# KiCad board proteus.kicad_pcb (continued)
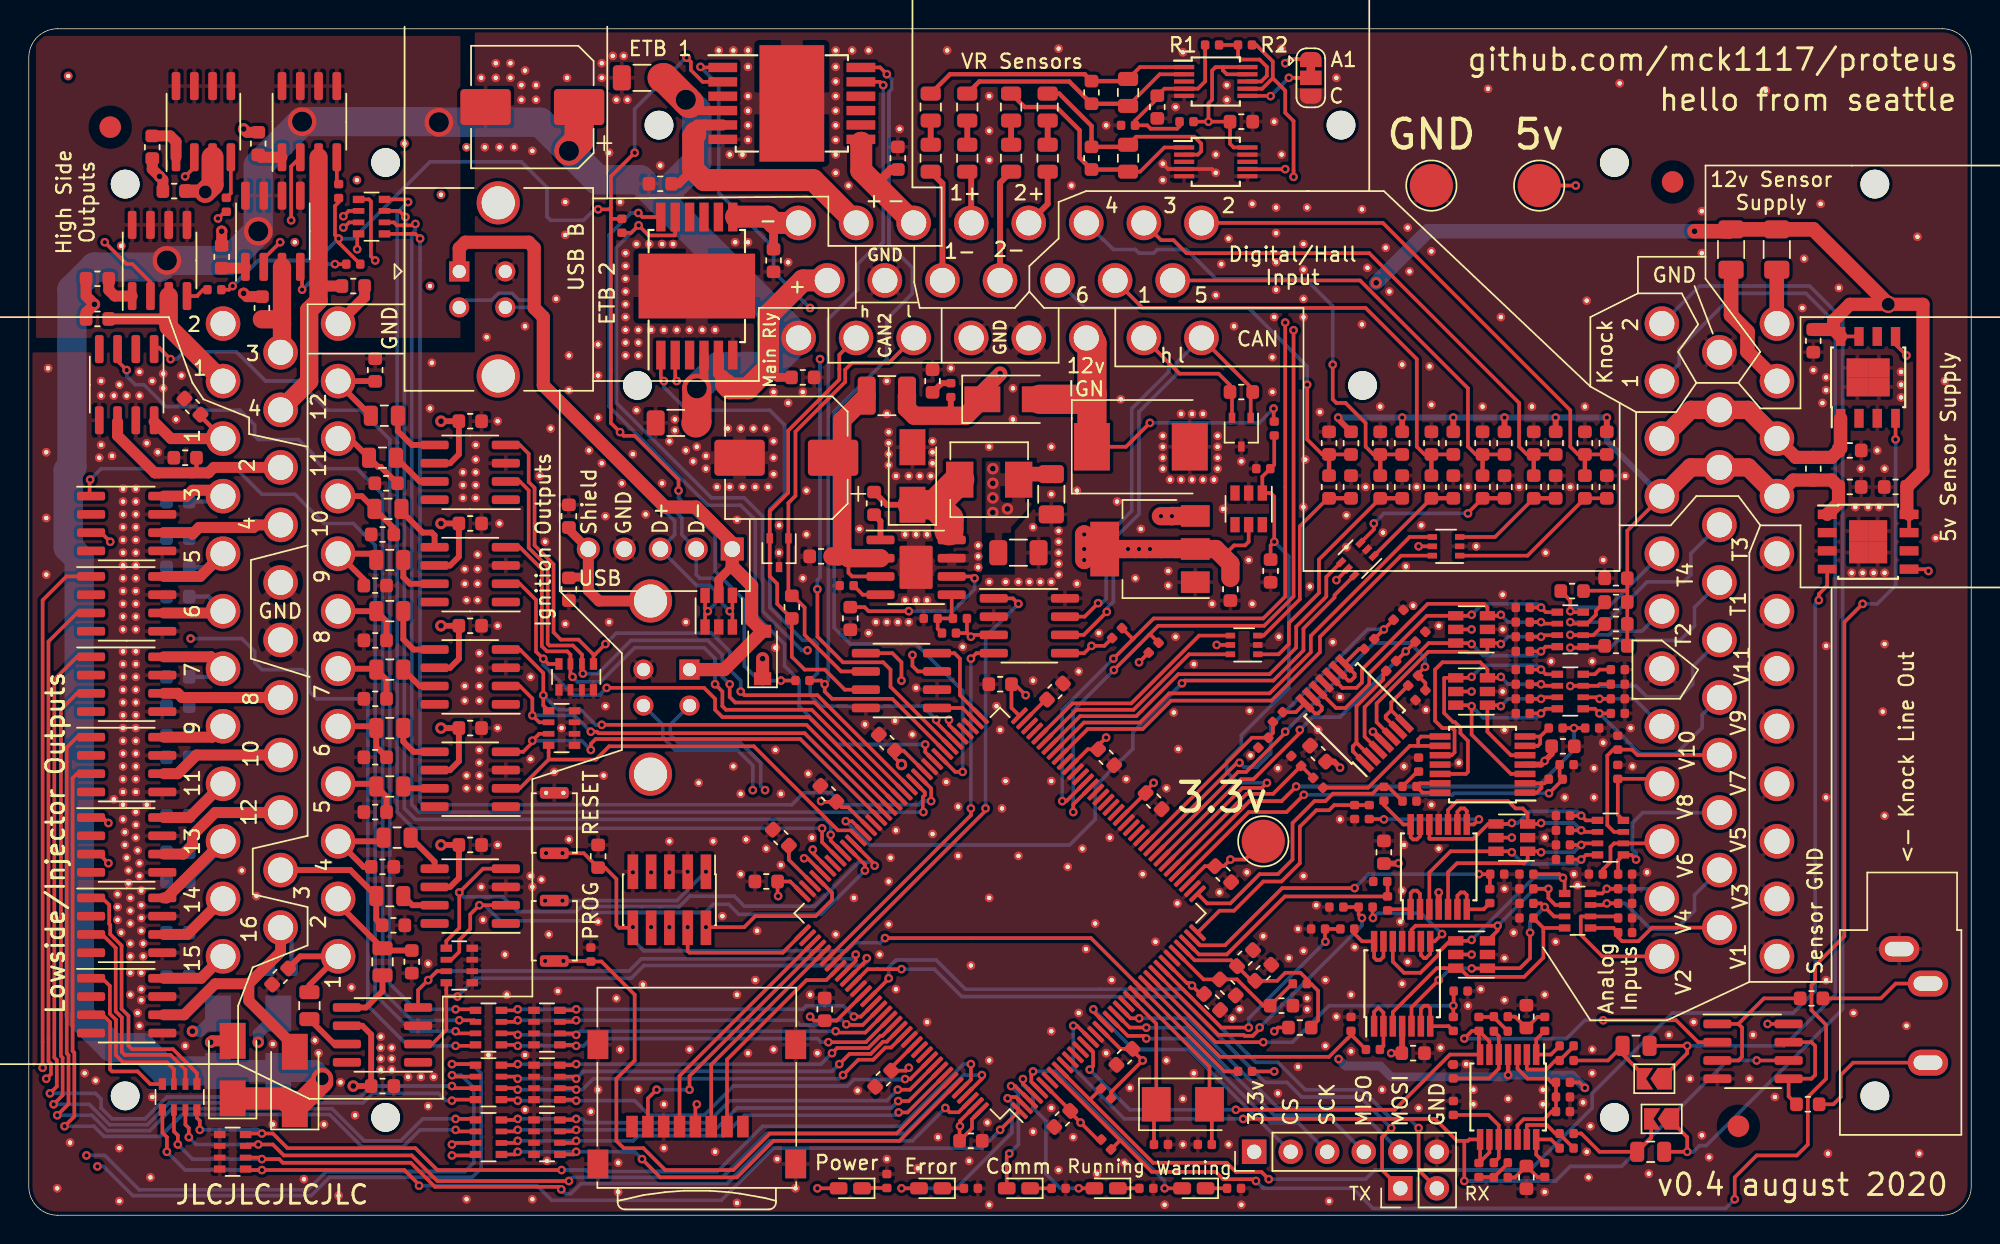
[diagram p0: board, top side]
## Placement (name value [footprint] x y rotation side) (continued)
NOREF#248  -  [unnamed]  5.91 28.92 0 top
NOREF#249  -  [unnamed]  7.44 30.32 0 top
NOREF#250  -  [unnamed]  7.44 31.21 0 top
NOREF#251  -  [unnamed]  7.44 32.1 0 top
NOREF#252  -  [unnamed]  7.44 32.99 0 top
NOREF#253  -  [unnamed]  6.55 32.1 0 top
NOREF#254  -  [unnamed]  6.55 31.21 0 top
NOREF#255  -  [unnamed]  6.55 30.32 0 top
NOREF#256  -  [unnamed]  6.55 32.99 0 top
NOREF#257  -  [unnamed]  7.44 33.88 0 top
NOREF#258  -  [unnamed]  6.55 33.88 0 top
NOREF#259  -  [unnamed]  7.44 34.77 0 top
NOREF#260  -  [unnamed]  6.55 34.77 0 top
NOREF#261  -  [unnamed]  7.44 35.65 0 top
NOREF#262  -  [unnamed]  6.55 35.65 0 top
NOREF#263  -  [unnamed]  7.44 36.54 0 top
NOREF#264  -  [unnamed]  6.55 36.54 0 top
NOREF#265  -  [unnamed]  6.55 37.43 0 top
NOREF#266  -  [unnamed]  7.44 37.43 0 top
NOREF#267  -  [unnamed]  7.44 38.32 0 top
NOREF#268  -  [unnamed]  6.55 38.32 0 top
NOREF#269  -  [unnamed]  6.55 39.21 0 top
NOREF#270  -  [unnamed]  7.44 39.21 0 top
NOREF#271  -  [unnamed]  7.44 40.73 0 top
NOREF#272  -  [unnamed]  6.55 40.73 0 top
NOREF#273  -  [unnamed]  6.55 41.62 0 top
NOREF#274  -  [unnamed]  7.44 41.62 0 top
NOREF#275  -  [unnamed]  7.44 42.51 0 top
NOREF#276  -  [unnamed]  6.55 42.51 0 top
NOREF#277  -  [unnamed]  7.44 43.4 0 top
NOREF#278  -  [unnamed]  6.55 43.4 0 top
NOREF#279  -  [unnamed]  7.44 44.29 0 top
NOREF#280  -  [unnamed]  6.55 44.29 0 top
NOREF#281  -  [unnamed]  7.44 45.18 0 top
NOREF#282  -  [unnamed]  7.44 46.07 0 top
NOREF#283  -  [unnamed]  7.44 46.96 0 top
NOREF#284  -  [unnamed]  7.44 47.85 0 top
NOREF#285  -  [unnamed]  7.44 48.73 0 top
NOREF#286  -  [unnamed]  7.44 49.62 0 top
NOREF#287  -  [unnamed]  6.55 49.62 0 top
NOREF#288  -  [unnamed]  6.55 48.73 0 top
NOREF#289  -  [unnamed]  6.55 47.85 0 top
NOREF#290  -  [unnamed]  6.55 46.96 0 top
NOREF#291  -  [unnamed]  6.55 46.07 0 top
NOREF#292  -  [unnamed]  6.55 45.18 0 top
NOREF#293  -  [unnamed]  7.44 50.51 0 top
NOREF#294  -  [unnamed]  6.55 50.51 0 top
NOREF#295  -  [unnamed]  8.96 53.05 0 top
NOREF#296  -  [unnamed]  8.2 53.69 0 top
NOREF#297  -  [unnamed]  10.23 55.34 0 top
NOREF#298  -  [unnamed]  10.61 58.39 0 top
NOREF#299  -  [unnamed]  5.03 58.01 0 top
NOREF#300  -  [unnamed]  9.34 57.5 0 top
NOREF#301  -  [unnamed]  7.69 58.64 0 top
NOREF#302  -  [unnamed]  7.69 56.99 0 top
NOREF#303  -  [unnamed]  6.8 56.99 0 top
NOREF#304  -  [unnamed]  5.91 56.99 0 top
NOREF#305  -  [unnamed]  5.03 56.99 0 top
NOREF#306  -  [unnamed]  5.79 52.8 0 top
NOREF#307  -  [unnamed]  5.03 53.56 0 top
NOREF#308  -  [unnamed]  4.9 52.67 0 top
NOREF#309  -  [unnamed]  1.22 44.54 0 top
NOREF#310  -  [unnamed]  1.22 53.05 0 top
NOREF#311  -  [unnamed]  1.34 58.9 0 top
NOREF#312  -  [unnamed]  28.01 59.28 0 top
NOREF#313  -  [unnamed]  31.82 61.05 0 top
NOREF#314  -  [unnamed]  38.94 53.18 0 top
NOREF#315  -  [unnamed]  39.82 52.29 0 top
NOREF#316  -  [unnamed]  41.22 50.89 0 top
NOREF#317  -  [unnamed]  44.02 50.89 0 top
NOREF#318  -  [unnamed]  41.98 52.93 0 top
NOREF#319  -  [unnamed]  39.57 55.47 0 top
NOREF#320  -  [unnamed]  39.57 58.39 0 top
NOREF#321  -  [unnamed]  39.57 60.55 0 top
NOREF#322  -  [unnamed]  37.54 59.78 0 top
NOREF#323  -  [unnamed]  37.54 57.37 0 top
NOREF#324  -  [unnamed]  34.49 61.82 0 top
NOREF#325  -  [unnamed]  36.65 63.72 0 top
NOREF#326  -  [unnamed]  47.83 50.64 0 top
NOREF#327  -  [unnamed]  48.71 50.64 0 top
NOREF#328  -  [unnamed]  49.6 50.64 0 top
NOREF#329  -  [unnamed]  50.49 50.64 0 top
NOREF#330  -  [unnamed]  51.38 50.64 0 top
NOREF#331  -  [unnamed]  51.76 51.53 0 top
NOREF#332  -  [unnamed]  51.76 52.67 0 top
NOREF#333  -  [unnamed]  51.76 53.81 0 top
NOREF#334  -  [unnamed]  51.25 54.7 0 top
NOREF#335  -  [unnamed]  50.37 54.7 0 top
NOREF#336  -  [unnamed]  49.48 54.7 0 top
NOREF#337  -  [unnamed]  48.59 54.7 0 top
NOREF#338  -  [unnamed]  47.06 52.8 0 top
NOREF#339  -  [unnamed]  47.06 51.91 0 top
NOREF#340  -  [unnamed]  42.24 55.97 0 top
NOREF#341  -  [unnamed]  44.9 55.34 0 top
NOREF#342  -  [unnamed]  44.9 54.58 0 top
NOREF#343  -  [unnamed]  45.67 53.18 0 top
NOREF#344  -  [unnamed]  41.48 66.9 0 top
NOREF#345  -  [unnamed]  41.48 66.01 0 top
NOREF#346  -  [unnamed]  41.48 65.12 0 top
NOREF#347  -  [unnamed]  41.48 64.23 0 top
NOREF#348  -  [unnamed]  41.48 63.34 0 top
NOREF#349  -  [unnamed]  41.48 62.45 0 top
NOREF#350  -  [unnamed]  41.48 61.56 0 top
NOREF#351  -  [unnamed]  41.48 60.67 0 top
NOREF#352  -  [unnamed]  42.36 60.67 0 top
NOREF#353  -  [unnamed]  42.36 61.56 0 top
NOREF#354  -  [unnamed]  42.36 59.78 0 top
NOREF#355  -  [unnamed]  41.48 59.78 0 top
NOREF#356  -  [unnamed]  43.25 61.56 0 top
NOREF#357  -  [unnamed]  42.24 67.53 0 top
NOREF#358  -  [unnamed]  49.09 67.66 0 top
NOREF#359  -  [unnamed]  49.98 67.66 0 top
NOREF#360  -  [unnamed]  52.78 66.26 0 top
NOREF#361  -  [unnamed]  48.71 73.75 0 top
NOREF#362  -  [unnamed]  49.6 73.75 0 top
NOREF#363  -  [unnamed]  60.53 75.53 0 top
NOREF#364  -  [unnamed]  78.81 73.12 0 top
NOREF#365  -  [unnamed]  78.81 71.98 0 top
NOREF#366  -  [unnamed]  86.56 76.04 0 top
NOREF#367  -  [unnamed]  83.26 78.58 0 top
NOREF#368  -  [unnamed]  82.5 73.75 0 top
NOREF#369  -  [unnamed]  85.04 70.33 0 top
NOREF#370  -  [unnamed]  87.07 73.75 0 top
NOREF#371  -  [unnamed]  88.85 70.07 0 top
NOREF#372  -  [unnamed]  66.75 77.82 0 top
NOREF#373  -  [unnamed]  66.75 75.41 0 top
NOREF#374  -  [unnamed]  66.75 73.37 0 top
NOREF#375  -  [unnamed]  72.46 71.59 0 top
NOREF#376  -  [unnamed]  43.89 72.99 0 top
NOREF#377  -  [unnamed]  40.84 77.56 0 top
NOREF#378  -  [unnamed]  60.91 42.77 0 top
NOREF#379  -  [unnamed]  67.51 33.75 0 top
NOREF#380  -  [unnamed]  68.4 55.34 0 top
NOREF#381  -  [unnamed]  68.4 57.5 0 top
NOREF#382  -  [unnamed]  78.81 53.43 0 top
NOREF#383  -  [unnamed]  78.81 52.67 0 top
NOREF#384  -  [unnamed]  78.81 54.2 0 top
NOREF#385  -  [unnamed]  84.27 52.42 0 top
NOREF#386  -  [unnamed]  86.43 57.24 0 top
NOREF#387  -  [unnamed]  86.43 59.66 0 top
NOREF#388  -  [unnamed]  86.69 70.07 0 top
NOREF#389  -  [unnamed]  86.69 68.29 0 top
NOREF#390  -  [unnamed]  88.59 67.53 0 top
NOREF#391  -  [unnamed]  86.69 66.26 0 top
NOREF#392  -  [unnamed]  88.59 65.75 0 top
NOREF#393  -  [unnamed]  86.69 64.36 0 top
NOREF#394  -  [unnamed]  88.59 63.72 0 top
NOREF#395  -  [unnamed]  88.59 62.45 0 top
NOREF#396  -  [unnamed]  86.56 62.45 0 top
NOREF#397  -  [unnamed]  51.25 25.49 0 top
NOREF#398  -  [unnamed]  49.48 29.3 0 top
NOREF#399  -  [unnamed]  49.98 79.85 0 top
NOREF#400  -  [unnamed]  49.98 77.82 0 top
NOREF#401  -  [unnamed]  49.98 76.8 0 top
NOREF#402  -  [unnamed]  49.98 75.79 0 top
NOREF#403  -  [unnamed]  49.98 74.77 0 top
NOREF#404  -  [unnamed]  56.08 79.85 0 top
NOREF#405  -  [unnamed]  56.08 78.83 0 top
NOREF#406  -  [unnamed]  56.08 77.82 0 top
NOREF#407  -  [unnamed]  56.08 76.8 0 top
NOREF#408  -  [unnamed]  56.08 75.79 0 top
NOREF#409  -  [unnamed]  56.08 74.77 0 top
NOREF#410  -  [unnamed]  56.08 73.75 0 top
NOREF#411  -  [unnamed]  56.08 72.48 0 top
NOREF#412  -  [unnamed]  56.97 71.59 0 top
NOREF#413  -  [unnamed]  49.98 80.99 0 top
NOREF#414  -  [unnamed]  56.08 80.99 0 top
NOREF#415  -  [unnamed]  57.22 80.99 0 top
NOREF#416  -  [unnamed]  58.37 80.99 0 top
NOREF#417  -  [unnamed]  48.97 80.99 0 top
NOREF#418  -  [unnamed]  47.95 80.99 0 top
NOREF#419  -  [unnamed]  33.47 79.09 0 top
NOREF#420  -  [unnamed]  37.41 79.09 0 top
NOREF#421  -  [unnamed]  37.28 70.45 0 top
NOREF#422  -  [unnamed]  40.33 73.88 0 top
NOREF#423  -  [unnamed]  63.83 80.99 0 top
NOREF#424  -  [unnamed]  71.57 81.12 0 top
NOREF#425  -  [unnamed]  66.62 6.44 0 top
NOREF#426  -  [unnamed]  61.8 3.27 0 top
NOREF#427  -  [unnamed]  69.8 5.81 0 top
NOREF#428  -  [unnamed]  74.88 11.27 0 top
NOREF#429  -  [unnamed]  78.31 19.02 0 top
NOREF#430  -  [unnamed]  79.83 21.68 0 top
NOREF#431  -  [unnamed]  75.13 26.26 0 top
NOREF#432  -  [unnamed]  71.07 30.19 0 top
NOREF#433  -  [unnamed]  64.59 28.41 0 top
NOREF#434  -  [unnamed]  62.81 26.51 0 top
NOREF#435  -  [unnamed]  64.59 24.99 0 top
NOREF#436  -  [unnamed]  60.27 26.76 0 top
NOREF#437  -  [unnamed]  56.08 19.52 0 top
NOREF#438  -  [unnamed]  59.76 23.21 0 top
NOREF#439  -  [unnamed]  62.43 13.43 0 top
NOREF#440  -  [unnamed]  66.75 10.76 0 top
NOREF#441  -  [unnamed]  65.48 17.37 0 top
NOREF#442  -  [unnamed]  74.11 20.29 0 top
NOREF#443  -  [unnamed]  66.75 22.06 0 top
NOREF#444  -  [unnamed]  67.64 28.29 0 top
NOREF#445  -  [unnamed]  67.89 30.19 0 top
NOREF#446  -  [unnamed]  73.22 25.49 0 top
NOREF#447  -  [unnamed]  72.21 24.22 0 top
NOREF#448  -  [unnamed]  46.55 30.07 0 top
NOREF#449  -  [unnamed]  47.57 26 0 top
NOREF#450  -  [unnamed]  44.52 26 0 top
NOREF#451  -  [unnamed]  49.48 23.72 0 top
NOREF#452  -  [unnamed]  88.85 14.32 0 top
NOREF#453  -  [unnamed]  88.85 15.08 0 top
NOREF#454  -  [unnamed]  87.58 17.87 0 top
NOREF#455  -  [unnamed]  90.88 13.81 0 top
NOREF#456  -  [unnamed]  91.89 15.33 0 top
NOREF#457  -  [unnamed]  92.15 18.64 0 top
NOREF#458  -  [unnamed]  90.12 16.35 0 top
NOREF#459  -  [unnamed]  95.45 16.1 0 top
NOREF#460  -  [unnamed]  44.14 61.56 0 top
NOREF#461  -  [unnamed]  45.03 61.56 0 top
NOREF#462  -  [unnamed]  45.92 61.56 0 top
NOREF#463  -  [unnamed]  46.81 61.56 0 top
NOREF#464  -  [unnamed]  47.7 61.56 0 top
NOREF#465  -  [unnamed]  43.13 67.53 0 top
NOREF#466  -  [unnamed]  44.02 67.53 0 top
NOREF#467  -  [unnamed]  44.78 67.53 0 top
NOREF#468  -  [unnamed]  73.48 18.51 0 top
NOREF#469  -  [unnamed]  75.26 16.35 0 top
NOREF#470  -  [unnamed]  71.07 7.46 0 top
NOREF#471  -  [unnamed]  92.66 69.94 0 top
NOREF#472  -  [unnamed]  42.87 48.73 0 top
NOREF#473  -  [unnamed]  78.81 51.91 0 top
NOREF#474  -  [unnamed]  79.32 51.15 0 top
NOREF#475  -  [unnamed]  80.08 51.15 0 top
NOREF#476  -  [unnamed]  80.84 51.15 0 top
NOREF#477  -  [unnamed]  81.61 51.15 0 top
NOREF#478  -  [unnamed]  82.37 51.15 0 top
NOREF#479  -  [unnamed]  80.08 55.72 0 top
NOREF#480  -  [unnamed]  80.84 55.72 0 top
NOREF#481  -  [unnamed]  81.61 55.72 0 top
NOREF#482  -  [unnamed]  82.62 53.43 0 top
NOREF#483  -  [unnamed]  82.62 54.2 0 top
NOREF#484  -  [unnamed]  82.62 52.67 0 top
NOREF#485  -  [unnamed]  82.62 51.91 0 top
NOREF#486  -  [unnamed]  79.19 43.78 0 top
NOREF#487  -  [unnamed]  82.24 42.51 0 top
NOREF#488  -  [unnamed]  76.91 44.29 0 top
NOREF#489  -  [unnamed]  79.7 40.23 0 top
NOREF#490  -  [unnamed]  36.14 19.52 0 top
NOREF#491  -  [unnamed]  10.87 11.78 0 top
NOREF#492  -  [unnamed]  16.96 11.9 0 top
NOREF#493  -  [unnamed]  21.66 9.24 0 top
NOREF#494  -  [unnamed]  4.64 9.37 0 top
NOREF#495  -  [unnamed]  3.88 9.87 0 top
NOREF#496  -  [unnamed]  15.82 22.19 0 top
NOREF#497  -  [unnamed]  14.8 23.97 0 top
NOREF#498  -  [unnamed]  19.88 12.16 0 top
NOREF#499  -  [unnamed]  61.67 42.77 0 top
NOREF#500  -  [unnamed]  62.43 42.77 0 top
NOREF#501  -  [unnamed]  60.91 47.34 0 top
NOREF#502  -  [unnamed]  61.67 47.34 0 top
NOREF#503  -  [unnamed]  65.99 46.58 0 top
NOREF#504  -  [unnamed]  65.99 45.81 0 top
NOREF#505  -  [unnamed]  65.99 45.05 0 top
NOREF#506  -  [unnamed]  68.78 44.04 0 top
NOREF#507  -  [unnamed]  61.67 36.67 0 top
NOREF#508  -  [unnamed]  58.37 40.48 0 top
NOREF#509  -  [unnamed]  67.26 35.4 0 top
NOREF#510  -  [unnamed]  69.8 37.18 0 top
NOREF#511  -  [unnamed]  69.8 47.85 0 top
NOREF#512  -  [unnamed]  71.57 47.59 0 top
NOREF#513  -  [unnamed]  71.57 46.83 0 top
NOREF#514  -  [unnamed]  71.57 46.07 0 top
NOREF#515  -  [unnamed]  71.57 45.31 0 top
NOREF#516  -  [unnamed]  71.57 44.54 0 top
NOREF#517  -  [unnamed]  69.54 44.04 0 top
NOREF#518  -  [unnamed]  70.3 44.04 0 top
NOREF#519  -  [unnamed]  71.07 44.04 0 top
NOREF#520  -  [unnamed]  61.16 41.24 0 top
NOREF#521  -  [unnamed]  60.4 41.24 0 top
NOREF#522  -  [unnamed]  59.64 41.24 0 top
NOREF#523  -  [unnamed]  58.87 41.24 0 top
NOREF#524  -  [unnamed]  7.69 13.18 0 top
NOREF#525  -  [unnamed]  1.22 48.48 0 top
NOREF#526  -  [unnamed]  6.42 67.4 0 top
NOREF#527  -  [unnamed]  2.74 79.22 0 top
NOREF#528  -  [unnamed]  6.55 28.54 0 top
NOREF#529  -  [unnamed]  8.2 28.54 0 top
NOREF#530  -  [unnamed]  83 49.12 0 top
NOREF#531  -  [unnamed]  84.78 45.56 0 top
NOREF#532  -  [unnamed]  74.37 40.48 0 top
NOREF#533  -  [unnamed]  76.27 30.32 0 top
NOREF#534  -  [unnamed]  79.07 29.68 0 top
NOREF#535  -  [unnamed]  102.44 36.42 0 top
NOREF#536  -  [unnamed]  102.44 40.73 0 top
NOREF#537  -  [unnamed]  105.36 26.26 0 top
NOREF#538  -  [unnamed]  72.84 43.91 0 top
NOREF#539  -  [unnamed]  59.76 54.45 0 top
NOREF#540  -  [unnamed]  59.76 53.69 0 top
NOREF#541  -  [unnamed]  59.76 52.93 0 top
NOREF#542  -  [unnamed]  59.76 52.16 0 top
NOREF#543  -  [unnamed]  62.68 51.4 0 top
NOREF#544  -  [unnamed]  61.92 51.4 0 top
NOREF#545  -  [unnamed]  61.16 51.4 0 top
NOREF#546  -  [unnamed]  60.27 51.4 0 top
NOREF#547  -  [unnamed]  62.43 47.34 0 top
NOREF#548  -  [unnamed]  57.73 47.72 0 top
NOREF#549  -  [unnamed]  62.81 53.81 0 top
NOREF#550  -  [unnamed]  62.81 53.05 0 top
NOREF#551  -  [unnamed]  62.81 52.29 0 top
NOREF#552  -  [unnamed]  66.75 44.04 0 top
NOREF#553  -  [unnamed]  67.89 44.04 0 top
NOREF#554  -  [unnamed]  77.29 47.72 0 top
NOREF#555  -  [unnamed]  76.15 3.65 0 top
NOREF#556  -  [unnamed]  72.59 5.43 0 top
NOREF#557  -  [unnamed]  80.21 80.87 0 top
NOREF#558  -  [unnamed]  87.07 81.12 0 top
NOREF#559  -  [unnamed]  75.89 56.74 0 top
NOREF#560  -  [unnamed]  40.08 48.61 0 top
NOREF#561  -  [unnamed]  71.07 12.79 0 top
NOREF#562  -  [unnamed]  77.42 23.72 0 top
NOREF#563  -  [unnamed]  54.05 50.39 0 top
NOREF#564  -  [unnamed]  52.78 56.48 0 top
NOREF#565  -  [unnamed]  53.79 57.24 0 top
NOREF#566  -  [unnamed]  51.76 57.24 0 top
NOREF#567  -  [unnamed]  37.28 68.17 0 top
NOREF#568  -  [unnamed]  41.09 70.45 0 top
NOREF#569  -  [unnamed]  35 74.01 0 top
NOREF#570  -  [unnamed]  27.89 64.61 0 top
NOREF#571  -  [unnamed]  28.14 9.62 0 top
NOREF#572  -  [unnamed]  24.46 10.13 0 top
NOREF#573  -  [unnamed]  25.22 10.13 0 top
NOREF#574  -  [unnamed]  24.46 12.41 0 top
NOREF#575  -  [unnamed]  26.36 9.62 0 top
NOREF#576  -  [unnamed]  27.25 9.62 0 top
NOREF#577  -  [unnamed]  124.53 70.33 0 top
NOREF#578  -  [unnamed]  133.17 58.01 0 top
NOREF#579  -  [unnamed]  132.53 47.08 0 top
NOREF#580  -  [unnamed]  59.64 55.72 0 top
NOREF#581  -  [unnamed]  59.64 58.01 0 top
NOREF#582  -  [unnamed]  64.08 58.9 0 top
NOREF#583  -  [unnamed]  9.34 58.51 0 top
NOREF#584  -  [unnamed]  8.58 58.01 0 top
NOREF#585  -  [unnamed]  6.3 57.75 0 top
NOREF#586  -  [unnamed]  79.7 77.06 0 top
NOREF#587  -  [unnamed]  74.88 75.79 0 top
NOREF#588  -  [unnamed]  83.26 77.56 0 top
NOREF#589  -  [unnamed]  82.5 72.48 0 top
NOREF#590  -  [unnamed]  75.64 49.62 0 top
NOREF#591  -  [unnamed]  71.07 50.13 0 top
NOREF#592  -  [unnamed]  66.75 53.43 0 top
NOREF#593  -  [unnamed]  18.49 67.66 0 top
NOREF#594  -  [unnamed]  22.81 71.98 0 top
NOREF#595  -  [unnamed]  28.65 70.96 0 top
NOREF#596  -  [unnamed]  30.43 74.26 0 top
NOREF#597  -  [unnamed]  26.11 74.52 0 top
NOREF#598  -  [unnamed]  45.67 41.24 0 top
NOREF#599  -  [unnamed]  40.33 41.24 0 top
NOREF#600  -  [unnamed]  31.95 11.14 0 top
NOREF#601  -  [unnamed]  34.49 11.14 0 top
NOREF#602  -  [unnamed]  34.49 7.33 0 top
NOREF#603  -  [unnamed]  36.01 3.78 0 top
NOREF#604  -  [unnamed]  44.14 7.71 0 top
NOREF#605  -  [unnamed]  48.21 20.8 0 top
NOREF#606  -  [unnamed]  57.35 22.06 0 top
NOREF#607  -  [unnamed]  59.13 18.13 0 top
NOREF#608  -  [unnamed]  60.27 15.71 0 top
NOREF#609  -  [unnamed]  48.97 31.21 0 top
NOREF#610  -  [unnamed]  71.07 53.43 0 top
NOREF#611  -  [unnamed]  72.84 50.39 0 top
NOREF#612  -  [unnamed]  108.66 9.87 0 top
NOREF#613  -  [unnamed]  108.66 11.52 0 top
NOREF#614  -  [unnamed]  108.02 7.84 0 top
NOREF#615  -  [unnamed]  108.53 6.19 0 top
NOREF#616  -  [unnamed]  108.28 4.41 0 top
NOREF#617  -  [unnamed]  59.89 24.86 0 top
NOREF#618  -  [unnamed]  68.78 24.99 0 top
NOREF#619  -  [unnamed]  72.97 14.06 0 top
NOREF#620  -  [unnamed]  99.89 10.51 0 top
NOREF#621  -  [unnamed]  96.59 7.46 0 top
NOREF#622  -  [unnamed]  94.05 8.73 0 top
NOREF#623  -  [unnamed]  86.81 8.48 0 top
NOREF#624  -  [unnamed]  80.97 9.87 0 top
NOREF#625  -  [unnamed]  79.07 10.76 0 top
NOREF#626  -  [unnamed]  83.39 4.92 0 top
NOREF#627  -  [unnamed]  90.37 0.98 0 top
NOREF#628  -  [unnamed]  112.59 2.89 0 top
NOREF#629  -  [unnamed]  80.21 8.1 0 top
NOREF#630  -  [unnamed]  41.6 77.56 0 top
NOREF#631  -  [unnamed]  40.59 80.61 0 top
NOREF#632  -  [unnamed]  41.35 80.61 0 top
NOREF#633  -  [unnamed]  39.82 79.09 0 top
NOREF#634  -  [unnamed]  39.82 80.1 0 top
NOREF#635  -  [unnamed]  31.44 79.09 0 top
NOREF#636  -  [unnamed]  32.46 79.09 0 top
NOREF#637  -  [unnamed]  34.24 77.56 0 top
NOREF#638  -  [unnamed]  31.7 74.26 0 top
NOREF#639  -  [unnamed]  32.71 74.26 0 top
NOREF#640  -  [unnamed]  33.73 74.26 0 top
NOREF#641  -  [unnamed]  34.24 78.58 0 top
NOREF#642  -  [unnamed]  32.46 80.1 0 top
NOREF#643  -  [unnamed]  33.47 80.1 0 top
NOREF#644  -  [unnamed]  35.25 77.56 0 top
NOREF#645  -  [unnamed]  35.25 78.58 0 top
NOREF#646  -  [unnamed]  34.49 79.6 0 top
NOREF#647  -  [unnamed]  54.3 15.33 0 top
NOREF#648  -  [unnamed]  58.11 34.13 0 top
NOREF#649  -  [unnamed]  41.09 11.52 0 top
NOREF#650  -  [unnamed]  45.92 11.52 0 top
NOREF#651  -  [unnamed]  49.98 11.27 0 top
NOREF#652  -  [unnamed]  51.76 11.52 0 top
NOREF#653  -  [unnamed]  54.81 11.27 0 top
NOREF#654  -  [unnamed]  36.78 15.59 0 top
NOREF#655  -  [unnamed]  42.68 16.03 0 top
NOREF#656  -  [unnamed]  49.22 15.33 0 top
NOREF#657  -  [unnamed]  50.49 16.35 0 top
NOREF#658  -  [unnamed]  44.14 4.67 0 top
NOREF#659  -  [unnamed]  40.97 3.65 0 top
NOREF#660  -  [unnamed]  47.7 4.41 0 top
NOREF#661  -  [unnamed]  52.02 3.9 0 top
NOREF#662  -  [unnamed]  49.22 0.86 0 top
NOREF#663  -  [unnamed]  63.19 5.43 0 top
NOREF#664  -  [unnamed]  59.64 3.9 0 top
NOREF#665  -  [unnamed]  53.29 1.87 0 top
NOREF#666  -  [unnamed]  39.57 8.73 0 top
NOREF#667  -  [unnamed]  42.36 8.73 0 top
NOREF#668  -  [unnamed]  39.06 7.21 0 top
NOREF#669  -  [unnamed]  35 1.11 0 top
NOREF#670  -  [unnamed]  40.84 15.08 0 top
NOREF#671  -  [unnamed]  53.79 44.29 0 top
NOREF#672  -  [unnamed]  52.14 47.97 0 top
NOREF#673  -  [unnamed]  54.05 47.34 0 top
NOREF#674  -  [unnamed]  49.22 48.35 0 top
NOREF#675  -  [unnamed]  46.17 52.42 0 top
NOREF#676  -  [unnamed]  46.43 53.43 0 top
NOREF#677  -  [unnamed]  36.27 54.7 0 top
NOREF#678  -  [unnamed]  63.76 30.13 0 top
NOREF#679  -  [unnamed]  61.41 33.43 0 top
NOREF#680  -  [unnamed]  60.21 34.38 0 top
NOREF#681  -  [unnamed]  119.83 12.54 0 top
NOREF#682  -  [unnamed]  119.58 9.49 0 top
NOREF#683  -  [unnamed]  121.36 8.22 0 top
NOREF#684  -  [unnamed]  78.94 0.73 0 top
NOREF#685  -  [unnamed]  66.75 0.73 0 top
NOREF#686  -  [unnamed]  71.57 3.14 0 top
NOREF#687  -  [unnamed]  51.89 39.46 0 top
NOREF#688  -  [unnamed]  105.8 38.51 0 top
NOREF#689  -  [unnamed]  108.66 38.51 0 top
NOREF#690  -  [unnamed]  115.71 13.43 0 top
NOREF#691  -  [unnamed]  115.45 9.49 0 top
NOREF#692  -  [unnamed]  88.21 10.32 0 top
NOREF#693  -  [unnamed]  84.27 0.73 0 top
NOREF#694  -  [unnamed]  59.76 20.22 0 top
NOREF#695  -  [unnamed]  102.44 43.15 0 top
NOREF#696  -  [unnamed]  64.91 39.53 0 top
NOREF#697  -  [unnamed]  44.52 53.81 0 top
NOREF#698  -  [unnamed]  52.14 46.07 0 top
NOREF#699  -  [unnamed]  35.95 29.37 0 top
NOREF#700  -  [unnamed]  37.16 29.37 0 top
NOREF#701  -  [unnamed]  94.12 47.47 0 top
NOREF#702  -  [unnamed]  89.04 43.72 0 top
NOREF#703  -  [unnamed]  91.58 48.67 0 top
NOREF#704  -  [unnamed]  88.59 49.24 0 top
NOREF#705  -  [unnamed]  100.59 46.51 0 top
NOREF#706  -  [unnamed]  96.78 47.97 0 top
NOREF#707  -  [unnamed]  95.7 45.12 0 top
NOREF#708  -  [unnamed]  105.42 46.07 0 top
NOREF#709  -  [unnamed]  90.62 39.84 0 top
NOREF#710  -  [unnamed]  84.85 35.08 0 top
NOREF#711  -  [unnamed]  79.58 34.96 0 top
NOREF#712  -  [unnamed]  79.89 32.42 0 top
NOREF#713  -  [unnamed]  80.97 38.32 0 top
NOREF#714  -  [unnamed]  91.58 46.45 0 top
R1  5.6k  [R_0402_1005Metric]  93.42 11.52 0 top
R2  5.6k  [R_0402_1005Metric]  99.01 13.3 270 top
R3  5.6k  [R_0402_1005Metric]  92.91 21.43 0 top
R4  5.6k  [R_0402_1005Metric]  91.64 19.91 0 top
R5  10k  [R_0402_1005Metric]  91.89 13.3 270 top
R6  10k  [R_0402_1005Metric]  99.51 15.59 180 top
R7  10k  [R_0402_1005Metric]  90.88 21.43 0 top
R8  10k  [R_0402_1005Metric]  89.61 19.91 0 top
R9  5.6k  [R_0402_1005Metric]  94.43 21.68 270 top
R10  5.6k  [R_0402_1005Metric]  101.55 22.19 270 top
R11  5.6k  [R_0402_1005Metric]  93.16 28.03 270 top
R12  5.6k  [R_0402_1005Metric]  94.18 29.3 270 top
R13  10k  [R_0402_1005Metric]  93.93 23.21 0 top
R14  10k  [R_0402_1005Metric]  102.05 23.72 180 top
R15  10k  [R_0402_1005Metric]  92.15 28.03 90 top
R16  10k  [R_0402_1005Metric]  95.96 28.8 180 top
R17  5.6k  [R_0402_1005Metric]  106.12 30.32 180 top
R18  5.6k  [R_0402_1005Metric]  106.12 33.88 180 top
R19  5.6k  [R_0402_1005Metric]  89.61 30.07 315 top
R20  5.6k  [R_0402_1005Metric]  95.96 29.81 0 top
R21  10k  [R_0402_1005Metric]  106.88 31.34 180 top
R22  10k  [R_0402_1005Metric]  108.66 33.88 180 top
R23  10k  [R_0402_1005Metric]  88.08 31.59 315 top
R24  10k  [R_0402_1005Metric]  96.59 31.34 270 top
R25  5.6k  [R_0402_1005Metric]  94.69 38.19 225 top
R26  5.6k  [R_0402_1005Metric]  96.21 37.18 225 top
R27  5.6k  [R_0402_1005Metric]  93.16 39.72 225 top
R28  5.6k  [R_0402_1005Metric]  86.81 34.64 45 top
R29  10k  [R_0402_1005Metric]  96.72 40.23 225 top
R30  10k  [R_0402_1005Metric]  96.72 36.16 45 top
R31  10k  [R_0402_1005Metric]  95.2 41.75 225 top
R32  10k  [R_0402_1005Metric]  85.8 32.86 45 top
R33  120  [R_0603_1608Metric]  53.03 42.28 90 top
R38  22k  [R_0402_1005Metric]  106.63 8.22 0 top
R40  22k  [R_0402_1005Metric]  106.63 9.24 0 top
R42  12k  [R_0402_1005Metric]  105.36 13.3 270 top
R43  12k  [R_0402_1005Metric]  105.36 3.14 90 top
R44  100k  [R_0402_1005Metric]  102.31 13.81 0 top
R45  100k  [R_0402_1005Metric]  102.31 2.63 0 top
R46  33k  [R_0402_1005Metric]  102.31 12.79 0 top
R47  33k  [R_0402_1005Metric]  102.31 3.65 0 top
R48  33  [R_0402_1005Metric]  88.34 16.1 0 top
R701  470k  [R_0402_1005Metric]  110.94 19.65 0 top
R702  470k  [R_0402_1005Metric]  110.94 20.67 0 top
R703  470k  [R_0402_1005Metric]  110.94 21.68 0 top
R704  470k  [R_0402_1005Metric]  110.94 22.7 0 top
R801  470k  [R_0402_1005Metric]  110.94 23.72 0 top
R802  470k  [R_0402_1005Metric]  108.91 23.72 180 top
R803  470k  [R_0402_1005Metric]  110.44 32.86 90 top
R804  470k  [R_0402_1005Metric]  110.44 30.83 90 top
R901  470k  [R_0402_1005Metric]  110.44 34.89 0 top
R902  470k  [R_0402_1005Metric]  110.44 35.91 0 top
R903  470k  [R_0402_1005Metric]  110.44 36.92 0 top
R904  470k  [R_0402_1005Metric]  110.44 37.94 0 top
R905  10k  [R_0402_1005Metric]  56.84 43.78 180 top
R906  1  [R_0402_1005Metric]  64.08 57.37 90 top
R907  12k  [R_0402_1005Metric]  62.68 41.5 180 top
R908  68k  [R_0402_1005Metric]  64.72 41.5 0 top
R1001  10k  [R_0402_1005Metric]  53.77 37.18 180 top
R1004  120  [R_0603_1608Metric]  84.27 57.24 0 top
R1005  DNP  [R_0603_1608Metric]  124.03 51.91 270 top
R1006  10k  [R_0402_1005Metric]  74.88 8.48 315 top
R1007  10k  [R_0402_1005Metric]  74.88 4.92 135 top
R1101  2.7k  [R_0603_1608Metric]  110.31 39.59 180 top
R1102  2.7k  [R_0603_1608Metric]  110.31 41.11 180 top
R1103  2.7k  [R_0603_1608Metric]  110.31 42.64 180 top
R1104  2.7k  [R_0603_1608Metric]  107.26 43.4 180 top
R1105  15k  [R_0402_1005Metric]  12.9 64.36 0 top
R1106  150  [R_0603_1608Metric]  4.77 65.12 180 top
R1107  15k  [R_0402_1005Metric]  13.73 70.26 270 top
R1108  150  [R_0603_1608Metric]  8.58 74.26 270 top
R1109  15k  [R_0402_1005Metric]  22.55 66.13 0 top
R1110  150  [R_0603_1608Metric]  13.41 66.64 90 top
R1111  15k  [R_0402_1005Metric]  21.54 71.21 270 top
R1112  150  [R_0603_1608Metric]  15.95 74.52 90 top
R1201  2.2k  [R_0603_1608Metric]  102.56 53.69 270 top
R1202  3.3k  [R_0603_1608Metric]  101.04 50.64 90 top
R1203  2.2k  [R_0603_1608Metric]  91.89 53.69 270 top
R1204  3.3k  [R_0603_1608Metric]  90.37 50.64 90 top
R1205  4.7k  [R_0805_2012Metric]  65.22 73.5 270 top
R1206  4.7k  [R_0805_2012Metric]  65.22 77.06 270 top
R1207  DNP  [R_0805_2012Metric]  76.4 78.07 270 top
R1208  4.7k  [R_0805_2012Metric]  62.68 73.5 270 top
R1209  4.7k  [R_0805_2012Metric]  62.68 77.06 270 top
R1210  4.7k  [R_0805_2012Metric]  70.81 73.5 270 top
R1211  4.7k  [R_0805_2012Metric]  70.81 77.06 270 top
R1212  DNP  [R_0805_2012Metric]  76.4 73.5 90 top
R1213  4.7k  [R_0805_2012Metric]  68.27 73.5 270 top
R1214  4.7k  [R_0805_2012Metric]  68.27 77.06 270 top
R1215  4.7k  [R_0402_1005Metric]  78.18 39.46 45 top
R1216  4.7k  [R_0402_1005Metric]  75.64 40.48 45 top
R1217  1k  [R_0402_1005Metric]  80.46 76.04 180 top
R1218  1k  [R_0402_1005Metric]  76.4 75.79 0 top
R1219  DNP  [R_0402_1005Metric]  82.24 81.37 180 top
R1220  DNP  [R_0402_1005Metric]  84.53 81.37 180 top
R1301  10k  [R_0402_1005Metric]  41.22 68.8 90 top
R1401  2.2k  [R_0603_1608Metric]  99.01 53.69 270 top
R1402  3.3k  [R_0603_1608Metric]  97.48 50.64 90 top
R1403  2.2k  [R_0603_1608Metric]  109.67 53.69 270 top
R1404  3.3k  [R_0603_1608Metric]  108.15 50.64 90 top
R1405  2.2k  [R_0603_1608Metric]  106.12 53.69 270 top
R1406  3.3k  [R_0603_1608Metric]  104.59 50.64 90 top
R1407  2.2k  [R_0603_1608Metric]  95.45 53.69 270 top
R1408  3.3k  [R_0603_1608Metric]  93.93 50.64 90 top
R1501  100k  [R_0603_1608Metric]  37.54 48.61 90 top
R1502  10k  [R_0402_1005Metric]  84.53 10 0 top
R1503  82k  [R_0402_1005Metric]  86.56 54.7 270 top
R1504  10k  [R_0402_1005Metric]  85.8 51.91 180 top
R1508  330  [R_0402_1005Metric]  59.64 2.38 270 top
R1509  330  [R_0402_1005Metric]  65.48 1.87 180 top
R1510  330  [R_0402_1005Metric]  71.57 1.87 180 top
R1511  330  [R_0402_1005Metric]  77.67 1.87 180 top
R1512  330  [R_0402_1005Metric]  83.77 1.87 180 top
R1513  10k  [R_0402_1005Metric]  39.06 18.13 90 top
R1601  100  [R_0805_2012Metric]  19.5 14.57 270 top
R1602  100  [R_0805_2012Metric]  24.58 17.62 270 top
R1603  100  [R_0805_2012Metric]  25.09 22.19 0 top
R1604  100  [R_0805_2012Metric]  25.6 26.26 0 top
R1701  100  [R_0805_2012Metric]  25.09 29.81 0 top
R1702  100  [R_0805_2012Metric]  25.09 33.88 0 top
R1703  100  [R_0805_2012Metric]  25.09 37.94 0 top
R1704  100  [R_0805_2012Metric]  25.09 42 0 top
R1801  100  [R_0805_2012Metric]  25.09 45.56 0 top
R1802  100  [R_0805_2012Metric]  24.97 49.12 0 top
R1803  100  [R_0805_2012Metric]  24.58 52.67 0 top
R1804  100  [R_0805_2012Metric]  24.71 55.59 0 top
R1901  100k  [R_0402_1005Metric]  106.88 10.76 0 top
R1902  100k  [R_0402_1005Metric]  106.88 5.68 0 top
R1903  470k  [R_0402_1005Metric]  106.88 11.78 0 top
R1904  470k  [R_0402_1005Metric]  106.88 4.67 0 top
REF**  -  [Fiducial_1.5mm_Mask3mm]  118.82 6.19 0 top
REF**#2  -  [Fiducial_1.5mm_Mask3mm]  5.66 75.66 0 top
REF**#3  -  [Fiducial_1.5mm_Mask3mm]  114.25 71.85 0 top
RN201  1k  [R_Array_Convex_4x0603]  31.95 13.05 180 top
RN202  1k  [R_Array_Convex_4x0603]  36.01 13.05 0 top
RN301  1k  [R_Array_Convex_4x0603]  31.95 9.24 180 top
RN302  1k  [R_Array_Convex_4x0603]  36.01 9.24 0 top
RN401  1k  [R_Array_Convex_4x0603]  31.95 5.43 180 top
RN402  1k  [R_Array_Convex_4x0603]  36.01 5.43 0 top
RN501  1k  [R_Array_Convex_4x0603]  10.49 8.22 90 top
RN502  1k  [R_Array_Convex_4x0603]  14.17 4.41 0 top
RN701  10k  [R_Array_Convex_4x0603]  107.64 21.18 180 top
RN801  10k  [R_Array_Convex_4x0603]  109.93 26.26 180 top
RN901  10k  [R_Array_Convex_4x0603]  107.13 36.42 180 top
RN1101  10k  [R_Array_Convex_4x0603]  107.13 40.73 180 top
RN1301  10k  [R_Array_Convex_4x0603]  23.82 69.44 180 top
RN1601  1k  [R_Array_Convex_4x0603]  29.92 17.37 180 top
RN1701  1k  [R_Array_Convex_4x0603]  37.03 33.88 180 top
RN1801  1k  [R_Array_Convex_4x0603]  38.05 37.43 90 top
SW1501  SW_Push  [SW_Push_SPST_NO_Alps_SKRK]  36.52 27.27 90 top
SW1502  SW_Push  [SW_Push_SPST_NO_Alps_SKRK]  36.52 19.78 90 top
U1  SRV05-4  [SOT-23-6]  100.28 18.13 180 top
U2  SRV05-4  [SOT-23-6]  103.07 26.26 180 top
U3  SRV05-4  [SOT-23-6]  100.28 36.42 180 top
U4  SRV05-4  [SOT-23-6]  100.28 40.73 180 top
U5  MCP6004  [TSSOP-14_4.4x5mm_P0.65mm]  102.82 8.22 270 top
U6  TJA1051T-3  [SOIC-8_3.9x4.9mm_P1.27mm]  60.65 37.18 180 top
U7  MCP6002-xSN  [SOIC-8_3.9x4.9mm_P1.27mm]  119.83 11.4 0 top
U201  VNLD5160  [SOIC-8_3.9x4.9mm_P1.27mm]  6.8 57.75 270 top
U202  VNLD5160  [SOIC-8_3.9x4.9mm_P1.27mm]  6.8 48.1 0 top
U301  VNLD5160  [SOIC-8_3.9x4.9mm_P1.27mm]  6.8 42.51 0 top
U302  VNLD5160  [SOIC-8_3.9x4.9mm_P1.27mm]  6.8 36.92 0 top
U401  VNLD5160  [SOIC-8_3.9x4.9mm_P1.27mm]  6.8 31.34 0 top
U402  VNLD5160  [SOIC-8_3.9x4.9mm_P1.27mm]  6.8 25.75 0 top
U501  VNLD5160  [SOIC-8_3.9x4.9mm_P1.27mm]  6.8 20.16 0 top
U502  VNLD5160  [SOIC-8_3.9x4.9mm_P1.27mm]  6.8 14.57 0 top
U701  MCP6004  [TSSOP-14_4.4x5mm_P0.65mm]  95.45 16.1 90 top
U801  MCP6004  [TSSOP-14_4.4x5mm_P0.65mm]  97.99 24.22 90 top
U901  MCP6004  [TSSOP-14_4.4x5mm_P0.65mm]  101.04 31.34 180 top
U902  AMS1117-3.3  [SOT-223-3_TabPin2]  77.92 46.32 180 top
U903  LMR14020  [SOIC-8-1EP_3.9x4.9mm_P1.27mm_EP2.29x3mm]  61.67 45.05 0 top
U904  TJA1051T-3  [SOIC-8_3.9x4.9mm_P1.27mm]  69.54 40.99 0 top
U1004  TLS115  [Infineon_PG-DSO-8-43]  127.84 46.83 0 top
U1005  TLS115  [Infineon_PG-DSO-8-43]  127.84 58.26 90 top
U1101  MCP6004  [TSSOP-14_4.4x5mm_P0.65mm#2]  92.15 34.89 135 top
U1102  BTS4175SGA  [SOIC-8_3.9x4.9mm_P1.27mm]  9.09 66.39 90 top
U1103  BTS4175SGA  [SOIC-8_3.9x4.9mm_P1.27mm]  12.14 76.04 90 top
U1104  BTS4175SGA  [SOIC-8_3.9x4.9mm_P1.27mm]  16.96 68.42 90 top
U1105  BTS4175SGA  [SOIC-8_3.9x4.9mm_P1.27mm]  19.5 76.04 90 top
U1201  TLE9201SG  [Infineon_PG-DSO-12-9]  53.03 77.31 0 top
U1202  74HC2G17  [SOT-363_SC-70-6]  92.34 45.62 225 top
U1203  MAX9924  [MSOP-10_3x3mm_P0.5mm]  82.5 78.83 0 top
U1204  MAX9924  [MSOP-10_3x3mm_P0.5mm]  82.5 73.25 0 top
U1207  74HC2G17  [SOT-363_SC-70-6]  98.5 46.51 180 top
U1208  74HC2G17  [SOT-363_SC-70-6]  84.46 39.65 180 top
U1501  STM32F429ZGTx  [LQFP-144_20x20mm_P0.5mm]  67.5 21 135 top
U1502  USBLC6-2SC6  [SOT-23-6]  47.95 42 90 top
